# KiCad board skean.kicad_pcb (continued)
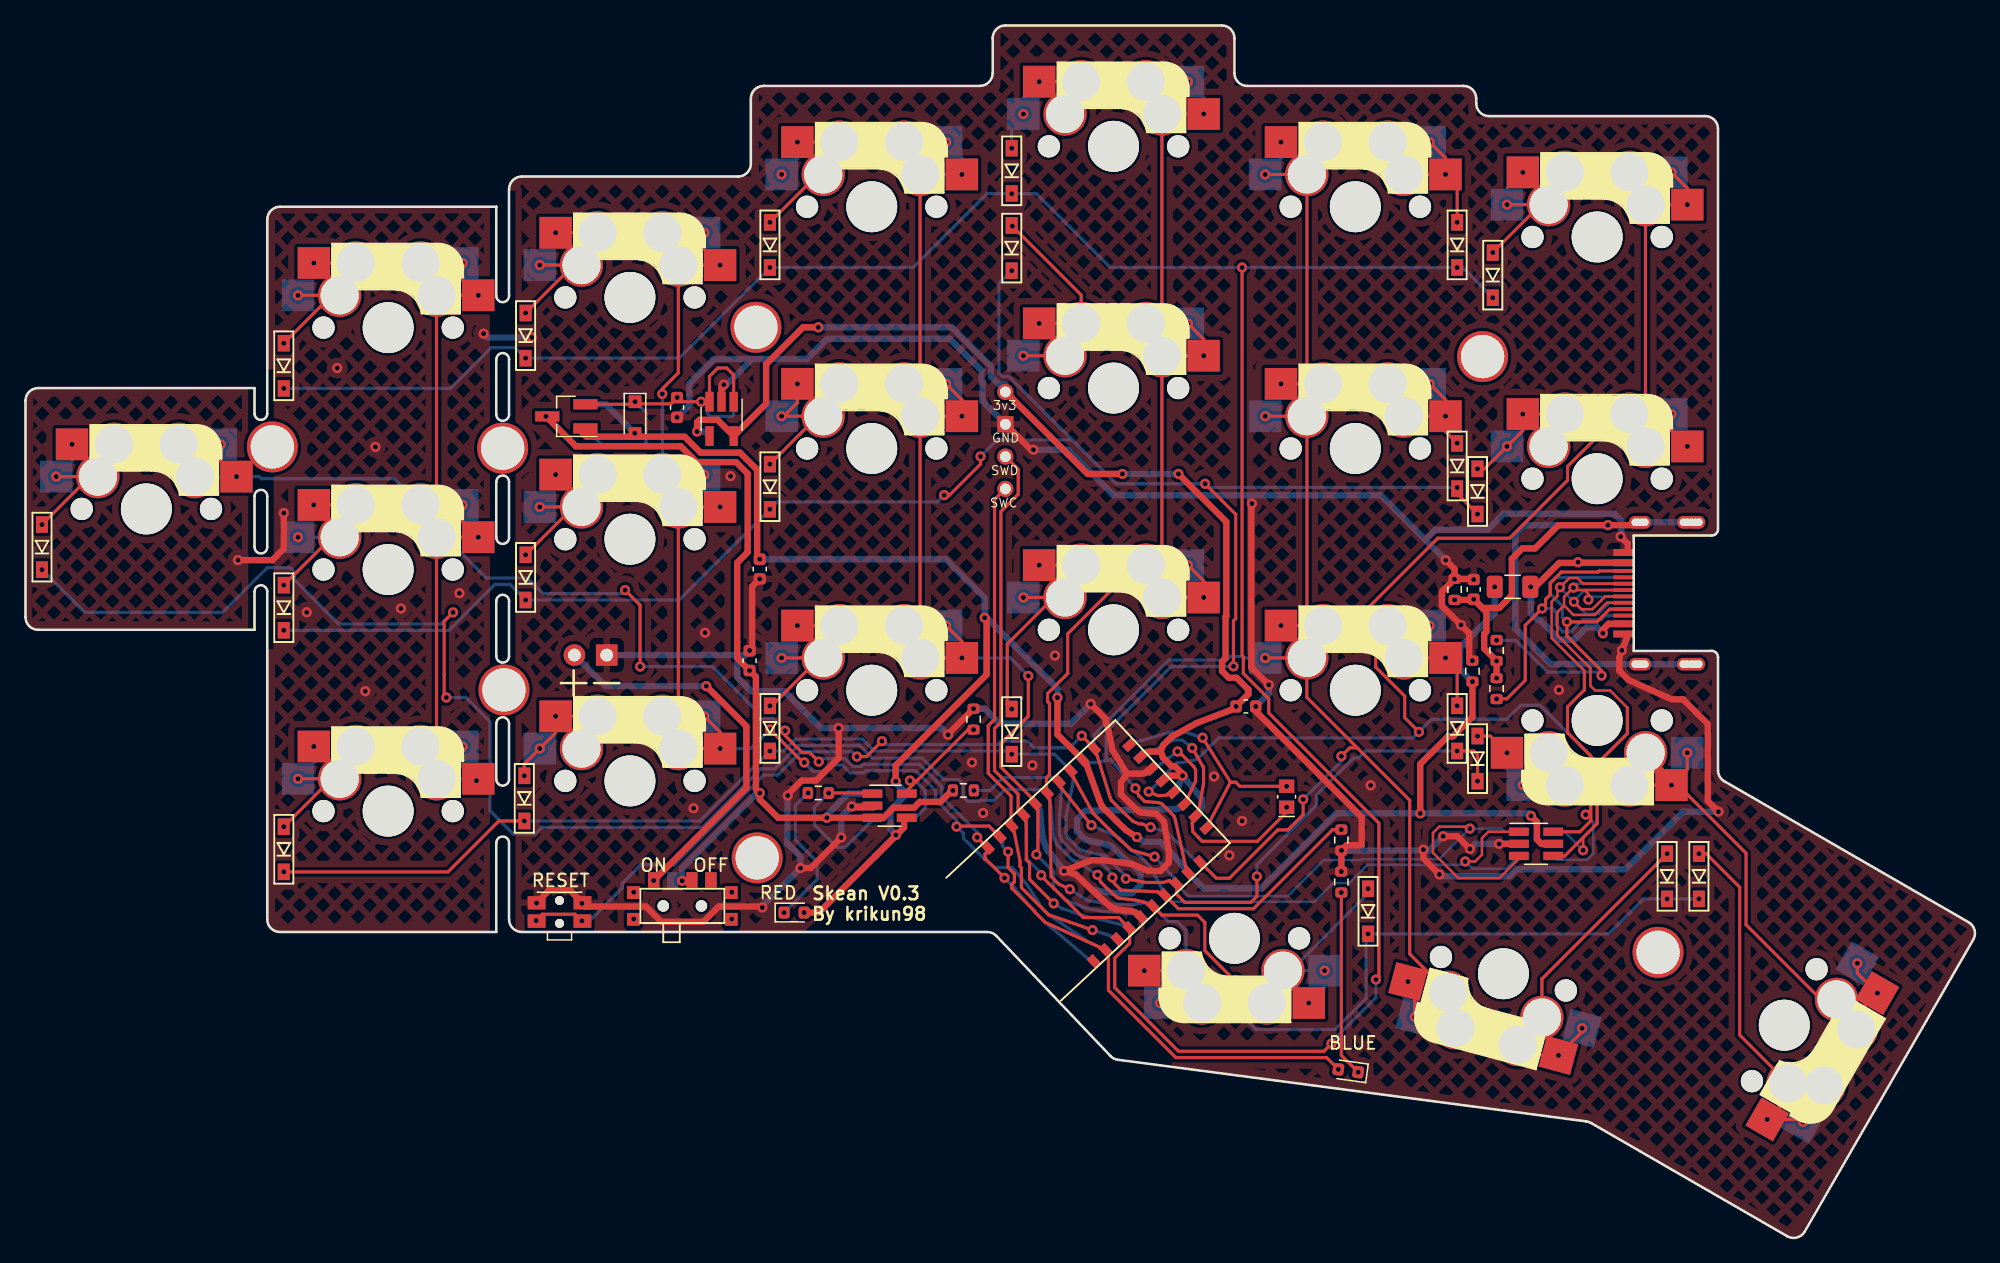
[diagram p0: board, top side]
## Routing (per net, layer and track width the routed paths; a pad name or vN(x,y) marks a point on that pad's centre or on a via; arc(x,y) is an arc through that point) (continued)
  vias: v1(22.1,49.14) v1(24.5,68.34) v1(26.7,42.94) v1(27.5,62.14) v1(29.5,49.44) v1(34.1,50.64) v1(40.17,26.29) v1(52.5,33.74) v1(53.4,47.54) v1(55.4,59.84) v1(74.38,37.34) v1(75.25,33.37) v1(79.13,37.12) v1(80.9,45.74) v1(93.4,36.24) v1(94.6,30.04) v1(95.6,32.74) v1(105.7,35.54) v1(120.5,43.04)
GNDS: length 61.6
  Top w0.5: v1(113.8,50.17) 113.75,50.12 v1(112.3,50.12) ; v1(113.8,50.17) 114.48,49.49 115.81,49.49 116.8,50.48 116.8,53.34 117.62,54.17 118.62,54.17 120.45,55.99 v1(124.35,55.99) 126.27,55.99 J3.S1 ; v1(113.8,50.17) 114.8,49.17 114.8,47.63 114.63,47.46 114.63,46.29 v1(115.6,45.32) v1(115.6,43.97)
  Bottom w0.5: J3.S1 J3.S1 J3.S1 J3.S1 J3.S1 J3.S1 J3.S1 J3.S1 J3.S1 119.87,45.07 117.08,47.86 117.08,55.27 117.8,55.99 124.35,55.99 v1(124.35,55.99) ; J3.S1 J3.S1 J3.S1 J3.S1 J3.S1 J3.S1 J3.S1 J3.S1 J3.S1
VBAT: length 76.7
  Top w0.5: 62.85,32.99 59.15,32.99 57.7,34.44 v1(57.7,34.94) 57.4,35.24 57.4,44.07 v1(56.9,44.57) 55.93,45.54 55.93,53.04 56.75,53.87 56.75,60.03 55.84,60.94 52.74,60.94 51.49,62.19 43.25,62.19 v1(40.9,64.54) ; 62.85,32.99 v1(62.97,32.99) ; 62.85,32.99 67.42,32.99 68.22,33.79 69.82,33.79 70.27,34.24 71.9,34.24 72.8,35.14 v1(72.88,35.14) ; v1(51.6,28.04) 52.35,28.04 SW1.2
  Bottom w0.5: SW1.2 51.58,28.06 v1(51.6,28.04) 51.6,29.05 57.49,34.94 v1(57.7,34.94) ; v1(62.97,32.99) 62.97,33.21 64.66,34.89 U3.3
VBUS: length 168.5
  Top w0.5: v1(57.7,53.32) 57.5,53.52 57.5,60.34 56.15,61.69 53.05,61.69 51.8,62.94 48.15,62.94 D23.2 v1(47.87,63.22) 47.6,62.94 44.09,62.94 43.44,63.59 ; v1(113.7,43.69) 113.7,40.92 112.17,39.39 111.77,39.39 109.6,37.22 v1(109.6,33.34) ; v1(75.38,48.72) 75.53,48.57 75.53,44.24 68.38,37.1 v1(68.38,35.86) ; v1(118.3,33.14) 118.77,32.67 118.77,31.3 119.13,30.94 U4.5 ; v1(81.09,42.44) 81.09,39.54 U1.27 83.16,37.35 83.4,37.1 84.37,34.42 84.58,33.91 84.61,33.86 85.77,32.7 86.48,32.02 v1(87.33,31.47) ; v1(68.4,31.64) 68.4,31.6 66.77,29.97 ; 66.77,29.97 69.04,32.23 69.04,32.99 ; 66.77,29.97 62.35,25.54 v1(61.19,25.54)
  Bottom w0.5: v1(115.45,51.14) 115.45,49.09 112.73,46.37 112.73,44.67 v1(113.7,43.69) ; U4.5 119.13,30.94 118.77,31.3 118.77,32.67 v1(118.3,33.14) 118.1,33.34 v1(109.6,33.34) 103,33.34 97.1,27.44 92.58,27.44 U1.27 91.39,28.76 91.1,29.05 91.04,29.12 89.87,30.41 89.2,31.08 87.93,31.1 v1(87.33,31.47) ; v1(81.09,42.44) 81.09,43.15 75.53,48.72 v1(75.38,48.72) 75.38,50.27 72.33,53.32 v1(57.7,53.32) ; Q2.1 45.6,65.49 v1(47.87,63.22) ; v1(68.38,35.86) 68.38,35.76 U3.4 67.97,33.61 67.97,32.07 v1(68.4,31.64) ; D24.2 v1(61.19,25.54)
(no net):
  vias: v1(47.8,27.14) v1(47.8,25.04) v1(55.5,27.14) v1(55.5,25.04)
/P0.00: length 18.7
  Top w0.25: 94.69,35.79 93.09,32.75 93.05,32.71 92.96,32.62 U1.11 ; 94.69,35.79 v1(92.5,39.29) ; 94.69,35.79 95.1,35.79 95.43,35.47 v1(99.1,35.47)
  Bottom w0.25: U1.11 87.17,38.83 87.29,38.95 89.95,39.73 91.11,39.73 v1(92.5,39.29)
/P0.01: length 20.3
  Top w0.25: 99.1,33.44 96.8,31.14 92.47,31.14 92.17,31.43 91.73,31.91 91.68,32.52 91.68,32.62 91.72,32.66 91.81,32.75 92.09,33.55 92.18,33.63 92.22,33.68 92.57,35.7 92.57,36.91 92.52,37.05 v1(91.68,38.48)
  Bottom w0.25: U1.13 88.03,37.9 88.16,38.02 90.16,39.1 90.9,39.1 v1(91.68,38.48)
  vias: v1(99.1,33.82)
BATTERY_PIN: length 38.7
  Top w0.25: v1(103.4,32.07) 102.72,32.07 96.5,25.84 90.59,25.84 U1.7 89.13,27.04 89.05,27.13 89.01,27.17 86.09,27.31 85.56,27.83 v1(85.41,28.3)
  Bottom w0.25: v1(74.53,35.14) 75.8,35.14 76.8,36.14 80.9,36.14 U1.7 81.3,35.44 81.38,35.35 81.41,35.32 81.41,35.21 81.27,33.17 81.27,31.63 81.45,31.18 82.54,30.1 82.99,29.91 84.61,29.4 85.13,28.88 v1(85.41,28.3)
BLUE_LED: length 37.6
  Top w0.25: v1(103.16,13.22) 102.24,14.14 90.4,14.14 85.1,19.44 85.1,22.36 U1.2 84.66,22.8 84.4,22.8 ; 84.4,22.8 84.49,22.71 ; 84.4,22.8 84.36,22.84 80.12,24.78 79.31,25.59 79.27,25.68 77.5,27.45 77.5,27.74 77.71,27.95 77.71,28.59 77.21,29.08 v1(77.21,30.33)
  Bottom w0.25: U1.2 76.65,31.11 76.77,30.99 76.77,30.77 v1(77.21,30.33)
CC1: length 29.2
  Top w0.25: v1(123.85,44.17) 123.85,44.54 121.12,47.26 v1(121.12,48.39) 123.48,48.39 124.48,49.39 J3.A5
  Bottom w0.25: v1(121.12,48.39) 120.76,48.75 120.76,49.63 119.81,50.58 119.81,51.43 120.27,51.89 J3.A5 ; v1(123.85,44.17) 123.58,44.44 119.61,44.44 117.11,46.94 v1(115.6,46.94)
CC2: length 25.8
  Top w0.25: v1(115.6,42.34) 116.4,42.34 117.85,43.79 117.85,48.12 v1(119.17,49.44) 119.45,49.72 119.45,50.17 119.81,50.53 119.81,51.43 120.69,52.31 123.57,52.31 123.65,52.39 J3.B5
  Bottom w0.25: v1(119.17,49.44) 120,49.44 120.26,49.18 120.26,48.16 120.8,47.62 121.45,47.62 121.9,48.07 121.9,48.09 122.38,48.57 123.83,48.57 124.14,48.88 J3.B5
COL0: length 161
  Top w0.25: K19.2 12.04,61.08 K19.2 v1(15.34,62.35) 15.34,61.05 v1(16.58,59.81) ; v1(59.7,39.84) 59.7,39.45 61.03,38.12 61.63,38.12 v1(62.34,37.41) ; v1(48.3,44.88) 48.3,49.7 v1(47.12,50.89) ; K1.2 31.04,75.33 K1.2 ; K1.2 32.3,74.05 32.3,58.84 K7.2 31.04,56.31 K7.2 ; K1.2 v1(35.58,74.06) 34.34,75.3 v1(34.34,76.6) ; v1(74.79,31.46) 75.59,30.66 U1.43 75.61,30.36 75.4,30.14 75.4,29.74 75.46,29.74 v1(76.93,28.27) ; K7.2 32.3,55.03 32.3,39.86 K13.2 31.04,37.33 K13.2 ; K7.2 v1(35.58,55.04) 34.34,56.29 v1(34.34,57.58)
  Bottom w0.25: v1(59.7,39.84) 58.77,40.77 57.65,40.77 57.3,41.12 57.3,41.54 53.96,44.88 v1(48.3,44.88) ; K7.2 28.98,59.64 18.54,59.64 18.38,59.81 K19.2 ; v1(74.79,31.46) 74.79,31.86 72,34.64 72,35.44 70.25,37.19 65.82,37.19 65.66,37.03 65.02,37.03 64.4,37.64 62.57,37.64 v1(62.34,37.41) ; v1(76.93,28.27) 77.79,27.41 77.79,27.37 79.31,25.59 80.12,24.78 83.43,21.97 83.47,21.93 83.56,21.84 U1.43 ; v1(34.34,38.6) 34.34,37 v1(35.44,35.91) 35.29,36.06 K13.2 ; K7.2 33,55.04 36.2,51.84 39.44,51.84 40.67,50.61 46.84,50.61 v1(47.12,50.89)
COL1: length 108.7
  Top w0.25: v1(50.04,66.3) 50.04,66.7 51.3,67.96 51.3,76.42 K2.2 ; K2.2 50.04,77.7 K2.2 ; U1.41 75.72,32.34 73.21,32.34 v1(73.17,32.3) ; v1(61.2,37.34) 61.1,37.34 v1(58.5,39.94) ; v1(53.34,40.97) 54.58,39.73 v1(54.58,38.43) K14.2 51.31,38.62 50.04,39.89 K14.2 51.3,42.23 51.3,57.42 K8.2 ; K8.2 v1(54.58,57.43) ; K8.2 50.04,58.7 K8.2 ; K2.2 v1(54.58,76.43) 53.34,77.68 v1(53.34,78.97)
  Bottom w0.25: K14.2 56.99,38.43 v1(58.5,39.94) ; U1.41 84.49,22.71 84.4,22.8 84.36,22.84 83.48,23.27 80.42,25.36 79.89,25.89 78.69,27.75 77.72,28.87 77.53,29.07 76.21,29.07 75.51,29.57 73.7,31.38 73.7,31.77 v1(73.17,32.3) 73.17,32.77 71.5,34.44 71.5,35.14 69.95,36.69 66.03,36.69 65.86,36.53 64.81,36.53 64.2,37.14 63.17,37.14 62.66,36.63 61.91,36.63 v1(61.2,37.34) ; v1(54.58,57.43) 53.34,58.67 v1(53.34,59.97) ; v1(50.04,66.3) K8.2
COL2: length 98.1
  Top w0.25: v1(79.44,30.1) 79.56,30.22 79.56,33.58 79.44,33.71 U1.35 79.33,34.29 76.65,36.97 76.65,38.82 78.8,40.97 v1(78.8,44.14) ; K9.2 v1(73.58,64.56) 73.58,65.85 v1(72.34,67.1) ; K9.2 70.3,64.55 70.3,49.36 K15.2 69.04,46.83 K15.2 v1(73.58,45.56) 73.58,46.85 v1(72.34,48.1) ; K9.2 69.04,65.83 K9.2 70.3,68.36 70.3,83.55 K3.2 69.04,84.83 K3.2
  Bottom w0.25: U1.35 87.28,25.31 87.19,25.4 87.15,25.44 85.67,25.55 84.61,25.65 84.43,25.69 83.44,25.85 83.42,25.86 81.71,26.54 80.8,27.45 80.8,28.74 v1(79.44,30.1) ; K15.2 77.39,45.56 v1(78.8,44.14) ; K3.2 v1(73.58,83.56) 73.58,84.85 v1(72.34,86.1)
COL3: length 113.1
  Top w0.25: K10.2 v1(92.58,69.31) 92.58,70.6 v1(91.34,71.85) ; K10.2 89.3,69.3 89.3,54.11 K16.2 88.04,51.58 K16.2 v1(92.58,50.31) 92.58,51.6 v1(91.34,52.85) ; K10.2 89.31,69.5 88.04,70.77 K10.2 89.3,73.11 89.3,88.3 K4.2 89.31,88.5 88.04,89.77 ; 88.04,89.77 K4.2 88.04,89.77 ; K20.2 v1(87.91,20.98) ; v1(82.06,27.38) 81.19,27.78 80.59,28.38 80.49,34.45 80.37,34.58 U1.33 80.23,35.01 80.23,36.15 80.47,36.38 80.47,41.97 80.32,42.12 80.32,42.76 81.9,44.34 81.9,47.45 85.2,50.76 v1(85.2,51.44)
  Bottom w0.25: v1(91.34,90.85) 92.58,89.6 v1(92.58,88.31) K4.2 ; v1(82.06,27.38) 83.28,26.59 83.56,26.48 84.55,26.31 84.73,26.27 85.79,26.18 87.14,26.18 87.37,26.24 87.97,26.3 88.08,26.3 88.12,26.27 88.2,26.17 U1.33 89.8,24.84 90.5,24.84 91.19,24.15 K20.2 ; v1(89.16,18.44) 89.16,19.73 v1(87.91,20.98) ; 88.04,51.77 85.53,51.77 v1(85.2,51.44)
COL4: length 141.7
  Top w0.25: K11.1 100.7,68.36 100.7,83.55 K5.1 ; K11.1 101.96,66.02 100.69,64.75 K11.1 ; K11.1 v1(98.66,67.1) ; K11.1 v1(97.41,64.56) ; K11.1 100.7,64.55 100.7,49.36 K17.1 ; U1.10 93.58,28.24 94.61,28.24 98.4,32.04 99.2,32.04 100.4,33.24 v1(100.4,34.44) ; K5.1 100.69,83.75 101.96,85.02 K5.1 ; K5.1 v1(97.41,83.56) ; 104.65,38.49 108.77,34.37 108.77,22.29 K21.2 112.65,18.42 112.65,17.53 112.52,17.4 112.52,17.05 112.37,16.9 K21.2 110.03,16.49 v1(109.18,17.34) 109.18,19.57 v1(108.63,20.12) ; 104.65,38.49 100.69,42.45 K17.1 ; 104.65,38.49 104.06,38.49 v1(103.4,37.83) ; K17.1 101.96,47.02 100.69,45.75 K17.1 ; K17.1 v1(98.66,48.1) ; K17.1 v1(97.41,45.56)
  Bottom w0.25: v1(97.41,83.56) 98.66,84.8 v1(98.66,86.1) ; v1(103.4,37.83) 103.4,37.44 v1(100.4,34.44) ; U1.10 83.97,39.52 89.85,45.4 94.33,45.4 94.6,45.67 95.67,45.67 95.79,45.56 K17.1
COL5: length 162
  Top w0.25: K6.2 127.3,81.17 127.3,65.98 K12.2 ; K6.2 126.04,82.45 K6.2 ; K6.2 v1(130.58,81.18) 130.58,82.48 v1(129.34,83.72) ; U1.17 89.81,34.9 89.68,34.78 89.46,34.74 88.95,34.74 v1(88.27,35.05) ; K18.1 135.2,30.21 135.2,24.59 141.07,18.72 K22.1 142.94,18.09 142.94,16.89 143.48,16.35 K22.1 143.87,17.56 v1(145.53,19.21) 143.95,20.79 v1(143.95,21.56) ; v1(130.58,38.1) 130.58,36.81 v1(129.34,35.56) K18.1 ; K12.2 126.04,63.45 126.04,63.64 ; v1(130.58,62.18) 129.34,63.43 v1(129.34,64.72) K12.2 ; v1(109.5,39.74) 108.38,40.86 108.38,42.55 106.1,44.83 106.1,46.1 104.96,47.24 104.96,48.96 110.98,54.97 116.62,54.97 121.18,59.52 121.18,60.61 124.21,63.64 126.04,63.64 ; 126.04,63.64 K12.2
  Top w0.5: 130.2,36.44 130.24,36.48
  Bottom w0.25: v1(88.27,35.05) 89.01,35.75 89.35,35.94 89.49,36.34 89.58,36.42 90.5,37.33 90.89,37.33 92.06,37.58 92.87,38.39 93.75,39.27 109.02,39.27 v1(109.5,39.74) 110.5,40.74 116.4,40.74 117.5,41.84 119.01,41.84 124.21,36.64 126.04,36.64
DATA+: length 48.8
  Top w0.2: 117.56,31.89 114.95,31.89 114.45,31.39 114.45,30.09 113.92,29.56 v1(113.13,29.56)
  Top w0.25: U1.31 81.3,35.44 81.42,35.32 v1(83.76,32.4)
  Bottom w0.2: U1.31 90.04,26.39 101.29,26.39 102.76,27.87 103.98,27.87 104,27.84 105.45,29.29 112.86,29.29 v1(113.13,29.56) 113.7,28.99 116.35,28.99 U4.1
  Bottom w0.25: U1.31 89.42,27.31 89.34,27.4 89.31,27.44 88.38,29.16 87.42,30.12 86.91,30.45 85.93,31.42 85.81,31.5 v1(83.76,32.4)
DATA-: length 55.5
  Top w0.2: 117.56,29.99 115.81,28.24 112.6,28.24 110.6,30.24 110.6,31.8 111.09,32.29 113.35,32.29 v1(113.5,32.14)
  Top w0.25: U1.29 82.23,36.31 82.31,36.22 82.34,36.18 83.8,33.52 83.93,33.32 85.23,32.01 85.94,31.32 86.91,30.45 v1(88.72,29.93)
  Bottom w0.2: U4.3 116.25,31.89 116,32.14 v1(113.5,32.14) 111.1,29.74 105,29.74 104.93,29.67 102.03,29.67 99.2,26.84 91.39,26.84 U1.29
  Bottom w0.25: U1.29 90.35,28.18 90.23,28.3 v1(88.72,29.93)
nRF_VDD: length 91.4
  Top w0.5: U1.19 89.59,36.05 89.84,36.29 90.07,36.3 v1(90.92,36.3) 90.92,36.45 90.35,37.02 90.06,37.05 89.39,37.73 89.38,37.75 89.21,38.2 ; U1.23 87.85,37.91 88.11,38.15 88.32,38.19 89.21,38.2 ; 89.21,38.2 89.38,38.68 90.06,39.35 92.02,40.44 94.68,41.45 v1(95.12,41.74) 96.1,42.72 96.1,43.06 95.16,44 94.55,44 94.03,44.52 94.03,45.27 94.3,45.54 94.3,48.78 94.36,48.84 94.36,56.26 v1(90.6,60.02) ; 77,66.48 83.47,60.02 v1(86.2,60.02) ; v1(52.78,63.34) 52.78,64.09 52.96,64.27 54.37,64.27 U2.5 58.2,65.54 58.2,68.64 61.1,71.54 v1(62.3,71.54)
  Bottom w0.5: v1(90.6,60.02) v1(86.2,60.02) ; v1(62.3,71.54) 72.8,71.54 75.88,68.47 75.88,67.69 76.51,67.06 77,67.06 77,66.48 ; U1.23 92.08,33.37 92.27,33.54 92.35,33.62 92.42,33.87 92.42,34.49 v1(90.92,36.3) 90.61,35.48 90.54,35.4 90.35,35.23 U1.19 ; U2.5 53.4,63.34 v1(52.78,63.34)
PROG: length 7.4
  Top w0.25: v1(90.53,38.2) 90.89,37.93 91.84,36.98 91.95,36.73 91.95,35.88 91.35,34.6 91.32,34.56 91.22,34.48 U1.15
  Bottom w0.25: v1(90.53,38.2) 89.02,37.09 88.9,36.97 U1.15
RESET: length 65
  Top w0.25: v1(43.73,24.89) 43.2,25.41 40.62,25.41 v1(40.13,24.92) ; v1(65.34,37.8) 66.09,37.8 v1(67.3,39.02) ; v1(83,39.44) 83.62,38.82 83.62,38.8 U1.26 84.08,38.04 84.2,37.91 85.22,34.63 85.33,34.36 86.28,33.42 87.03,32.71 87.49,32.52 87.76,32.5 v1(88.41,32.25)
  Bottom w0.25: U1.26 91.93,29.65 91.85,29.74 89.68,31.84 89.4,31.96 v1(88.41,32.25) ; v1(83,39.44) 82.05,38.49 79.25,38.49 78.73,39.02 76.67,39.02 76.4,38.74 75.9,38.74 75.9,38.74 67.57,38.74 v1(67.3,39.02) ; v1(65.34,37.8) 64.96,38.18 60.94,38.18 59.11,36.34 58.01,36.34 50.98,29.3 48.36,29.3 46.89,27.84 46.89,27.47 44.32,24.89 v1(43.73,24.89)
ROW0: length 211
  Top w0.25: v1(106.12,20.28) 106.35,20.51 106.35,32.58 97.7,41.23 97.7,42.34 95.7,44.34 95.7,45.64 95.6,45.74 v1(95.6,76.24) ; v1(102.63,15.24) 102.02,14.64 90.61,14.64 85.6,19.65 85.6,21.97 86.77,23.14 86.77,24.28 U1.4 85.9,25.15 83.12,25.15 80.9,27.37 80.87,27.37 79.81,28.43 v1(79.81,28.47)
  Bottom w0.25: v1(20.3,66.74) 33.4,66.74 36.6,69.94 38.47,69.94 v1(39.3,69.12) 51.37,69.12 v1(58.5,76.24) 69.75,76.24 75.55,82.04 v1(77.5,82.04) ; v1(77.5,82.04) D4.1 ; v1(77.5,82.04) 79.45,82.04 85.25,76.24 v1(112.5,76.24) 112.92,76.24 v1(115.3,73.87) ; U1.4 78.67,32.99 78.67,29.78 79.81,28.63 v1(79.81,28.47) ; v1(102.63,15.24) 102.63,15.37 106.12,18.86 v1(106.12,20.28)
ROW1: length 164.2
  Top w0.25: U1.9 91.28,29.04 91.16,29.17 90.33,32.91 90.23,33.15 89.31,34.08 89.07,34.18 87.94,34.28 87.49,34.73 v1(87.22,35.31) ; v1(94.93,44.9) 94.93,48.47 95.1,48.64 95.1,56.84 v1(92.7,59.24) ; v1(114.1,56.87) 112.5,58.47 v1(112.5,58.94) ; v1(72.19,58.35) 72.61,58.35 75.05,60.79 v1(75.05,61.39)
  Bottom w0.25: v1(112.5,58.94) 112.48,58.97 92.97,58.97 v1(92.7,59.24) 85.7,59.24 82.25,62.69 ; 82.25,62.69 76.35,62.69 v1(75.05,61.39) ; 82.25,62.69 77.26,67.68 76.77,67.68 76.5,67.95 76.5,74.99 v1(77.5,75.99) ; v1(20.3,47.73) 33.29,47.73 36.9,51.34 38.07,51.34 v1(39.3,50.11) 51.37,50.11 v1(58.5,57.24) 59.08,57.82 71.65,57.82 v1(72.19,58.35) ; 84.94,37.5 85.26,37.57 v1(87.22,35.31) ; 84.94,37.5 84.28,37.36 83.67,37.32 83.57,37.32 83.53,37.35 83.44,37.45 U1.9 ; 84.94,37.5 84.93,37.52 84.93,39.76 90.06,44.9 v1(94.93,44.9)
ROW2: length 116.3
  Top w0.25: v1(39.2,32.74) 37.2,32.74 33.2,28.74 v1(20.3,28.74) ; v1(112.5,38.24) 113.8,38.24 114.1,37.94 v1(114.1,35.87) ; v1(86.46,28.21) 88.04,27.91 89.4,27.91 89.83,28.04 89.94,28.04 89.98,28 90.06,27.91 U1.8 90.46,26.98 91.1,26.34 96.29,26.34 96.76,26.81 v1(96.76,28.38)
  Bottom w0.25: v1(39.2,32.74) 53,32.74 v1(58.5,38.24) 59.59,38.24 60.53,39.18 65.76,39.18 66.7,38.24 77.25,38.24 v1(77.5,37.99) 80.84,37.99 U1.8 82.22,36.31 82.31,36.22 82.34,36.18 82.34,36.08 82.27,35.5 81.76,33.08 81.76,31.73 81.87,31.46 82.82,30.52 83.09,30.41 84.82,30.01 84.9,29.98 85.71,29.17 86.24,28.64 v1(86.46,28.21) ; v1(112.5,38.24) 105.3,38.24 104.75,37.7 104.37,37.7 101.44,34.78 101.44,33.98 96.76,29.3 v1(96.76,28.38)
ROW3: length 176.1
  Top w0.25: v1(95.1,20.24) 94.99,20.24 92.68,22.55 92.68,24.77 92.1,25.34 89.3,25.34 U1.6 88.2,26.17 88.12,26.27 88.08,26.3 87.83,26.38 87.24,26.52 85.89,26.68 85.79,26.72 85.04,27.4 84.51,27.92 v1(84.24,28.51) ; v1(33.6,49.14) 32.9,48.44 32.9,42.62 v1(33.07,42.44)
  Bottom w0.25: v1(33.6,49.14) 32.69,48.23 24.61,48.23 21.15,51.69 21.15,52.3 20.81,52.64 19,52.64 15.5,49.14 4.65,49.14 v1(1.3,52.49) ; v1(131.5,26.62) v1(129,26.62) 127.17,26.62 124.42,23.87 v1(105.5,23.87) 105.35,23.71 105.35,18.79 102.89,16.34 96.7,16.34 95.1,17.94 v1(95.1,20.24) ; 79.86,35.13 79.77,35.22 76.97,35.22 76.12,34.37 75.04,34.37 74.96,34.29 74.02,34.29 73.68,34.64 73.68,35.63 73.31,35.99 72.16,35.99 70.46,37.69 66.55,37.69 65.56,38.68 60.74,38.68 58.9,36.84 57.81,36.84 53.21,32.24 40.57,32.24 40.05,31.72 38.32,31.72 36.5,33.54 36.5,40.54 34.6,42.44 v1(33.07,42.44) ; v1(84.24,28.51) 83.02,29.29 82.31,29.66 82.24,29.7 81.06,30.88 81.01,30.96 80.8,31.48 80.78,31.57 80.6,33.71 80.53,34.24 80.49,34.45 80.37,34.58 U1.6
SWC: length 41.6
  Top w0.25: U1.39 77.45,32.41 77.45,34.69 75.65,36.49 75.65,40.22 76.15,40.72 76.15,58.01 77,58.86 ; v1(83.85,24.17) 80.42,25.36 80.4,25.36 78.26,27.5 78.26,29.06 78.15,29.16 78.15,29.59 77.7,31.85 77.67,31.89 77.58,31.98 77.47,32.39
  Bottom w0.25: v1(83.85,24.17) 85.29,23.71 85.33,23.67 85.42,23.58 U1.39
SWD: length 44.5
  Top w0.25: v1(80.79,26.26) 78.9,28.16 78.9,29.44 78.65,29.69 78.65,29.8 78.63,32.72 78.6,32.75 78.51,32.84 U1.37 78,33.65 78,34.85 76.15,36.7 76.15,40.02 76.65,40.52 76.65,57.06 78.01,58.42 78.01,60.39 77,61.4
  Bottom w0.25: U1.37 86.35,24.44 86.26,24.53 86.22,24.57 85.7,24.7 84.22,25.06 83.37,25.23 83.23,25.27 81.48,25.85 81.39,25.89 v1(80.79,26.26)
USBN: length 49.5
  Top w0.2: 125.87,41.64 124.53,42.99 123.35,42.99 122.98,43.37 122.98,44.74 120.37,47.34 120.37,49.16 120.9,49.68 ; 122.5,50.89 121.83,50.89 v1(121.64,51.08) 120.9,50.34 120.9,49.68 ; 122.5,50.89 122.81,50.58 v1(122.81,50.14) ; 122.5,50.89 J3.A7 ; 120.9,49.68 121.64,48.94 123.31,48.94 124.27,49.89 J3.B7 ; 122.8,31.84 122.4,31.44 v1(122.4,30.44)
  Top w0.25: 125.87,41.64 125.87,39.62 123.5,37.24 123.5,32.54 120.95,29.99 119.84,29.99
  Bottom w0.2: J3.A7 123.06,50.38 v1(122.81,50.14) ; v1(121.64,51.08) 121.94,51.39 J3.B7 ; U4.4 120.95,31.89 v1(122.4,30.44)
USBP: length 53
  Top w0.2: v1(121.68,49.97) 122.25,49.39 123.12,49.39 124.13,50.39 J3.A6 ; 123,34.14 123,33.64 v1(122.6,33.24) ; 122.5,44.34 122.5,44.54 119.92,47.12 119.92,49.97 120.37,50.42 120.37,50.9 v1(120.59,51.11) 121.31,51.83 121.95,51.83 122.39,51.39 J3.B6
  Top w0.25: 122.5,44.34 122.5,43.04 121.18,41.72 121.18,39.68 123,37.85 123,36.84 123,34.14 123,32.75 122.14,31.89 119.84,31.89
  Bottom w0.2: v1(121.68,49.97) 122.6,49.04 123.63,49.04 124.47,49.89 J3.B6 ; v1(121.68,49.97) 120.59,51.05 v1(120.59,51.11) ; v1(121.68,49.97) 121.68,50.06 122.5,50.89 J3.A6 ; U4.6 120.35,29.69 122.71,29.69 123.2,30.18 123.2,32.64 v1(122.6,33.24)
Net-(C1-Pad1): length 31.1
  Top w0.25: U2.1 55.65,67.79 55.1,68.34 54.4,68.34 53.75,67.69 U2.1 51.55,65.69 v1(51.21,66.03) 50.71,65.53 48.06,65.53 v1(47.9,65.69) 47.7,65.49 43.44,65.49
  Bottom w0.25: Q2.2 45.27,62.32 48.58,62.32 48.77,62.52 48.77,64.82 v1(47.9,65.69) ; v1(53.1,65.69) U2.1 53.6,65.54 53.6,64.74 53.8,64.54 55.53,64.54 55.65,64.66 U2.1
Net-(D1-Pad2): length 15.6
  Top w0.25: v1(20.3,70.29) 24.06,74.06 K1.1 ; K1.1 25.96,75.33 K1.1 v1(22.66,76.6) ; K1.1 v1(21.41,74.06)
Net-(D2-Pad2): length 15.6
  Top w0.25: K2.1 43.06,76.43 v1(39.3,72.67) ; K2.1 v1(40.41,76.43) ; K2.1 43.69,76.62 44.96,77.89 K2.1 v1(41.66,78.97)
Net-(D3-Pad2): length 15.2
  Top w0.25: v1(58.5,79.79) 62.26,83.56 K3.1 63.96,84.83 K3.1 v1(60.66,86.1)
  Bottom w0.25: v1(60.66,86.1) 60.66,84.8 v1(59.41,83.56)
Net-(D4-Pad2): length 12.5
  Top w0.25: v1(79.66,90.85) K4.1
  Bottom w0.25: K4.1 81.69,89.58 K4.1 ; v1(79.66,90.85) 78.41,89.6 v1(78.41,88.31) 77.5,87.39 v1(77.5,85.62)
Net-(D5-Pad2): length 13.5
  Top w0.25: v1(111.58,83.56) K5.2 107.04,84.83 K5.2 ; v1(111.58,83.56) 112.5,82.64 v1(112.5,79.79) ; v1(111.58,83.56) 111.58,84.85 v1(110.34,86.1)
Net-(D6-Pad2): length 15.3
  Top w0.25: K6.1 120.96,82.64 119.69,81.37 K6.1 ; v1(115.3,77.42) 119.06,81.18 K6.1 ; K6.1 v1(116.41,81.18)
  Bottom w0.25: v1(116.41,81.18) 116.41,82.48 v1(117.66,83.72)
Net-(D7-Pad2): length 15.6
  Top w0.25: v1(20.3,51.28) 24.06,55.04 K7.1 25.96,56.31 K7.1 v1(22.66,57.58)
  Bottom w0.25: K7.1 v1(21.41,55.04)
Net-(D8-Pad2): length 15.7
  Top w0.25: v1(41.66,59.97) 43.69,57.93 K8.1 ; K8.1 43.69,57.62 44.96,58.89 K8.1 ; K8.1 43.06,57.43 v1(39.3,53.66) ; K8.1 v1(40.41,57.43)
Net-(D9-Pad2): length 15.3
  Top w0.25: K9.1 62.69,64.75 63.96,66.02 K9.1 ; K9.1 v1(59.41,64.56) 59.61,64.56 60.66,65.6 v1(60.66,67.1) ; K9.1 62.26,64.56 v1(58.5,60.79)
Net-(D10-Pad2): length 19.6
  Top w0.25: K10.1 82.96,70.58 K10.1 v1(78.41,69.31) ; K10.1 v1(79.66,71.85) ; K10.1 82.96,74.08 v1(77.55,79.49) D10.2
Net-(D11-Pad2): length 14.5
  Top w0.25: v1(110.34,67.1) 111.58,65.85 v1(111.58,64.56) K11.2 ; K11.2 108.31,64.75 107.04,66.02 K11.2 ; K11.2 110.39,64.56 v1(112.5,62.44)
Net-(D12-Pad2): length 12.5
  Top w0.25: v1(114.1,60.42) 114.65,60.42 v1(116.41,62.18) 117.66,63.43 v1(117.66,64.72) K12.1 120.96,63.64 119.69,62.37 K12.1
Net-(D13-Pad2): length 15.3
  Top w0.25: v1(20.3,32.29) 24.06,36.06 K13.1 ; K13.1 25.96,37.33 K13.1 ; K13.1 v1(21.41,36.06)
  Bottom w0.25: v1(21.41,36.06) 22.66,37.3 v1(22.66,38.6)
Net-(D14-Pad2): length 12.1
  Top w0.25: K14.1 43.69,38.62 44.96,39.89 K14.1 v1(41.66,40.97) 41.66,39.68 v1(40.41,38.43) 39.2,37.22 v1(39.2,36.29)
Net-(D15-Pad2): length 16.5
  Top w0.25: v1(60.66,48.1) K15.1 ; K15.1 63.96,47.02 ; K15.1 63.96,47.02 ; 63.96,47.02 63.96,46.83 K15.1 ; K15.1 v1(59.41,45.56) ; K15.1 62.4,45.56 58.64,41.79 v1(58.5,41.79)
Net-(D16-Pad2): length 20.9
  Top w0.25: v1(79.66,52.85) K16.1 82.96,51.77 81.69,50.5 K16.1 ; K16.1 v1(78.41,50.31) ; K16.1 80.81,50.31 77.15,46.65 77.15,41.89 v1(77.5,41.54)
Net-(D17-Pad2): length 16.8
  Top w0.25: v1(112.5,41.79) 112.5,44.64 v1(111.58,45.56) K17.2 108.31,45.75 107.04,47.02 K17.2 v1(110.34,48.1)
  Bottom w0.25: v1(110.34,48.1) 110.34,46.8 v1(111.58,45.56)
Net-(D18-Pad2): length 12.3
  Top w0.25: v1(114.1,39.42) 115.1,39.42 v1(116.41,38.1) ; v1(117.66,35.56) K18.2 120.96,36.83 K18.2
  Bottom w0.25: v1(117.66,35.56) 116.41,36.81 v1(116.41,38.1)
Net-(D19-Pad2): length 15.3
  Top w0.25: K19.1 6.96,61.08 K19.1 ; K19.1 5.06,59.81 v1(1.3,56.04) ; K19.1 v1(2.41,59.81)
  Bottom w0.25: v1(3.66,62.35) 3.66,61.05 v1(2.41,59.81)
Net-(D20-Pad2): length 19
  Top w0.25: K20.1 97.54,19.71 K20.1
  Bottom w0.25: v1(100.84,18.44) 102.08,19.68 v1(102.08,20.98) K20.1 99.43,20.98 105.5,27.04 v1(105.5,27.42)
Net-(D21-Pad2): length 27.2
  Top w0.25: K21.1 117.27,15.58 117.42,15.73 ; K21.1 118.13,14.32 v1(120.46,14.32) 122.32,16.17 v1(122.32,16.45) ; K21.1 117.55,15.45 117.55,16.21 118.63,17.3 K21.1 119.16,20.33 v1(129,30.17)
Net-(D22-Pad2): length 30.9
  Top w0.25: K22.2 138.87,12.49 140.4,12.49 140.94,11.95 K22.2 ; K22.2 134.7,15.92 134.7,27.54 132.08,30.17 v1(131.5,30.17) ; K22.2 138.5,10.92 v1(136.86,9.28) 139.49,9.28 v1(139.68,9.09)
Net-(D24-Pad1): length 11.6
  Top w0.25: D24.1 v1(59.61,25.54) ; R7.1 v1(61.5,34.94)
  Bottom w0.25: v1(59.61,25.54) 61.4,27.34 61.4,27.34 62.2,28.14 62.2,29.54 60.5,31.24 60.5,33.97 R7.1
Net-(D25-Pad1): length 14.7
  Top w0.25: v1(103.4,27.12) 103.4,14.32 v1(104.72,13)
Net-(F1-Pad1): length 25.1
  Top w0.5: v1(118.28,51.14) 118.64,51.14 120.52,53.02 121.94,53.02 v1(122,53.08) 122.04,53.04 J3.A4 ; J3.A4 124.4,48.24 123.95,47.79 v1(123.95,47.49)
  Bottom w0.5: J3.A4 122.06,53.02 v1(122,53.08) ; J3.A4 124.4,48.23 123.95,47.78 v1(123.95,47.49) 123.5,47.94 122.65,47.94 121.7,46.99 120.54,46.99 118.99,48.54 118.8,48.54 118.28,49.07 v1(118.28,51.14)
Net-(J4-Pad2): length 31
  Top w0.5: v1(53.5,43.34) 56.65,40.19 56.65,35.35 v1(49.37,28.06)
  Bottom w0.5: v1(53.5,43.34) 45.57,43.34 J4.2
Net-(R7-Pad2): length 12.8
  Top w0.25: R7.2 66.5,34.94 U3.1
  Bottom w0.25: R7.2 v1(63.11,34.93) 62,33.82 62,32.45 63.78,30.67 64.43,30.67 66.55,32.79 U3.1
Net-(R8-Pad1): length 12.8
  Top w0.25: 70.09,35.95 69.04,34.89 ; 70.09,35.95 74.06,39.92 v1(74.5,39.92) ; 70.09,35.95 70.06,35.92 v1(69.5,35.92)
  Bottom w0.25: v1(69.5,35.92) 69.93,35.92 70.7,35.14 70.7,33.74 69.95,32.99 U3.5

## Copper pours and planes (outline as drawn; the poured copper is in the pictures)
GND on Top, Bottom: 95,90.51 114,90.51 114,88.11 133,88.11 133,85.81 133.5,36.64 153.6,24.41 139.2,-0.29 122.8,9.11 85.5,14.11 75.9,24.11 19,24.01 19,47.81 -0.1,47.81 0,66.71 19,66.81 19,81.11 38,81.11 38,83.41 57,83.41 57,90.61 76,90.61 76,95.31 95,95.31

## Text on the board
B.Silkscreen: RED | BLUE | Skean V0.3 / By krikun98
User.Drawings: JLCJLCJLCJLC
F.Silkscreen: RED | BLUE | Skean V0.3 / By krikun98
